# Altium PCB 项目.PcbDoc (part 1 of 2)
Units mil, origin at the board's own origin, x right, y up, seen from the top; angles counter-clockwise.
Board outline 3915 x 3895 mil, 2 copper layers (Top Layer, Bottom Layer); 135 components, 114 nets, 427 pads, 258 vias.
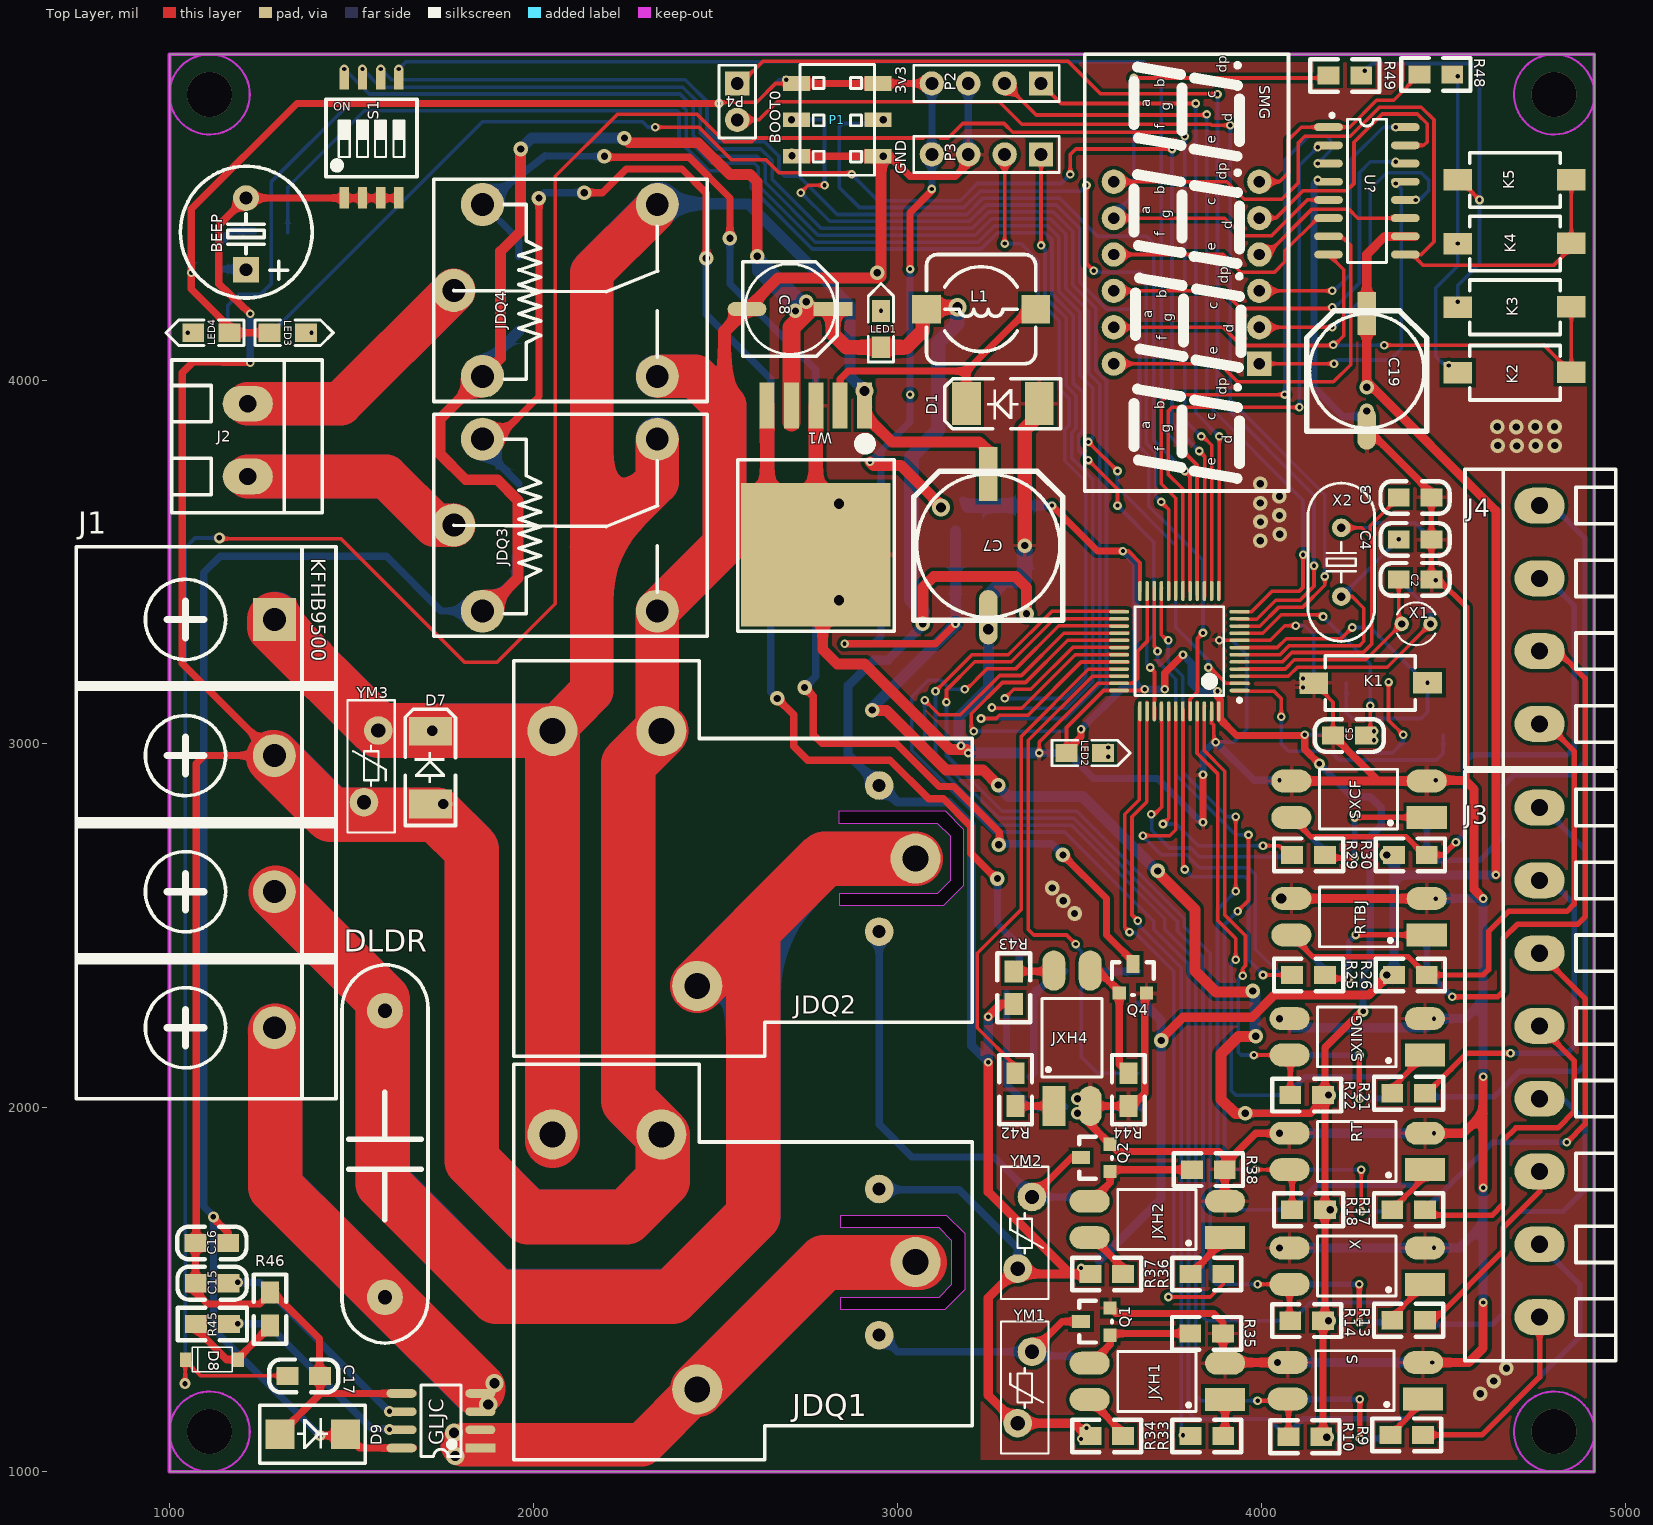
[diagram p0: Top Layer view]
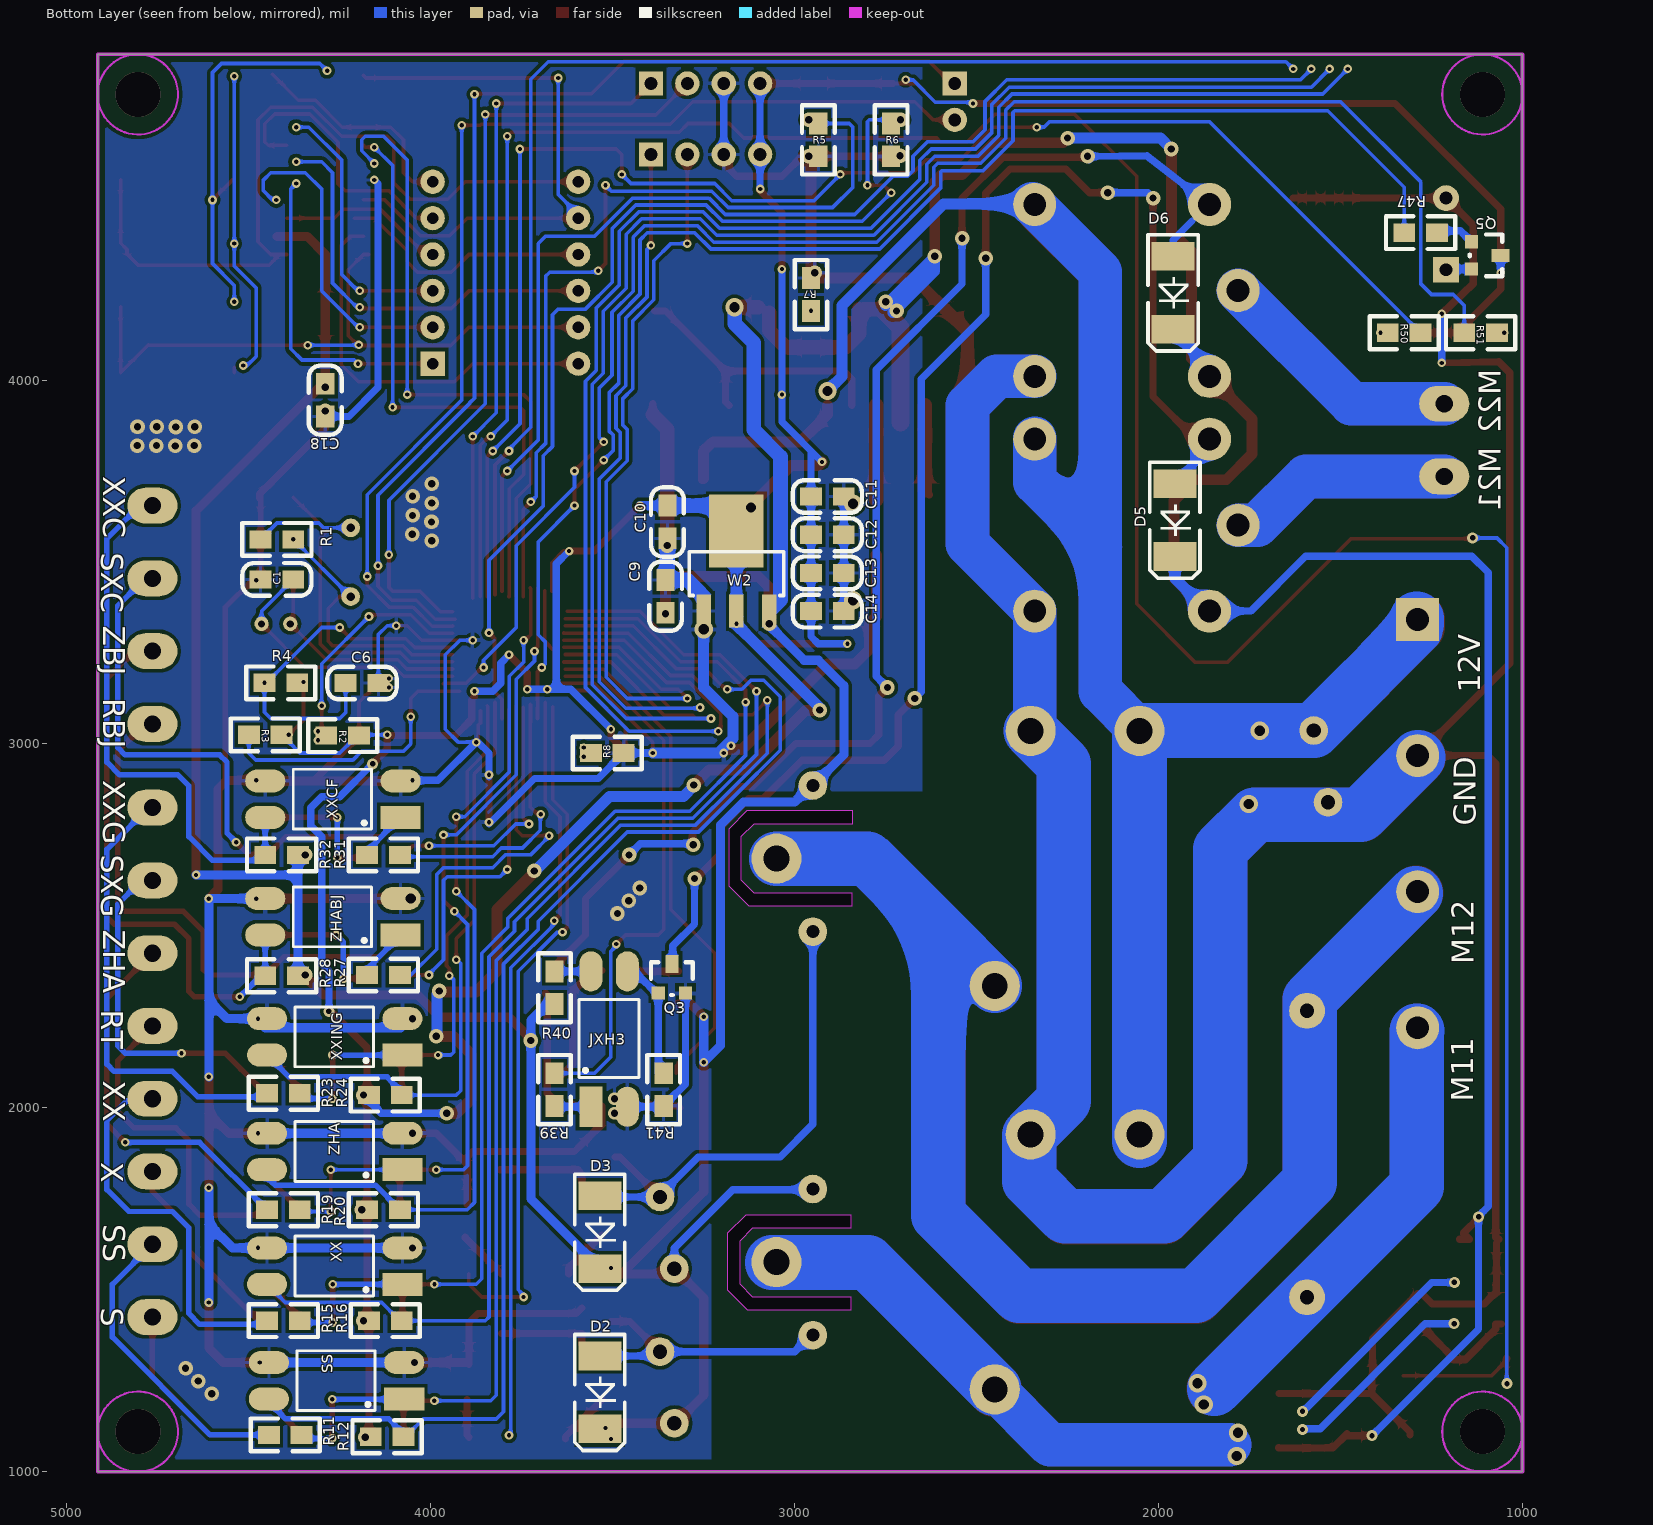
[diagram p1: Bottom Layer view, seen from below]

## Layer stack, top to bottom
Top Solder: solder mask 0.4, Solder Resist, Dk 3.5
Top Layer: signal copper 1.4
Dielectric1: dielectric 12.6, FR-4, Dk 4.8
Bottom Layer: signal copper 1.4
Bottom Solder: solder mask 0.4, Solder Resist, Dk 3.5

## Board outline
1000,1000 4915,1000 4915,4895 1000,4895
cut-out: 2841.57,2555.79 2841.57,2590 3110.79,2590 3146.57,2625.79 3146.57,2745.79 3111.57,2780.79 2840,2780.79 2840,2815.79 3131.57,2815.79 3181.57,2765.79 3181.57,2610.79 3126.57,2555.79
cut-out: 2845,1445 2845,1480 3115,1480 3150,1515 3150,1635 3115,1670 2845,1670 2845,1705 3135,1705 3185,1655 3185,1500 3130,1445

## Design rules (kind name [scope] priority, off if disabled: settings)
Clearance Clearance_1 [InNet('GND')] p1: gap=10 ignorepadtopadclearanceinfootprint=FALSE except(0: Arc-Hole Track-Hole SMDPad-Hole THPad-Hole Via-Hole Fill-Hole Poly-Hole Region-Hole Text-Hole; 9: Arc-Arc Arc-Track Arc-SMDPad Track-Track Track-SMDPad SMDPad-SMDPad)
Clearance [All] p2: gap=10 ignorepadtopadclearanceinfootprint=FALSE except(0: Arc-Hole Track-Hole SMDPad-Hole THPad-Hole Via-Hole Fill-Hole Poly-Hole Region-Hole Text-Hole; 9: Arc-Arc Arc-Track Arc-SMDPad Track-Track Track-SMDPad SMDPad-SMDPad)
FabricationTestpoint [(IsPad And (OnTopLayer Or OnBottomLayer))] p1: side=3 testpointundercomponent=TRUE minsize=40 maxsize=100 preferedsize=60 minholesize=0 maxholesize=40 preferedholesize=32 testpointgrid=1 allowsidetop=TRUE allowsidebottom=TRUE usegrid=TRUE gridtolerance=0.01
MinimumSolderMaskSliver [All] p1 off: minsoldermaskwidth=0.5
PolygonConnect [All] p1: connectstyle=Relief reliefconductorwidth=10 reliefentries=4 polygonreliefangle="90 Angle" airgapwidth=10
RoutingVias [All] p1: holewidth=12 width=24 viastyle="Through Hole" minholewidth=11 minwidth=22 maxholewidth=28 maxwidth=50
SilkToSilkClearance [All] p1: silktosilkclearance=0
SolderMaskExpansion [All] p1: expansion=4
Width [All] p1: maxlimit=200 minlimit=5 preferedwidth=20 minimp=50.000000 maximp=50.000000 favimp=50.000000
27 further rules are at their usual default settings.

## Classes and differential pairs
component class Sheet1: BEEP C1 C2 C3 C4 C5 C6 C7 C8 C9 C10 C11 C12 C13 C14 C15 C16 C17 C18 C19 D1 D2 D3 D5 D6 D7 D8 J1 J2 J3 J4 JDQ2 JDQ3 JDQ4 JXH1 JXH2 JXH3 JXH4 K1 K2 K3 K4 K5 L1 LED1 LED2 LED3 LED4 P1 P2 P3 P4 Q1 Q2 Q3 Q4 Q5 R1 R2 R3 R4 R5 R6 R7 R8 R9 R10 R11 R12 R13 R14 R15 R16 R17 R18 R19 R20 R21 R22 R23 R24 R25 R26 R27 R28 R29 R30 R31 R32 R33 R34 R35 R36 R37 R38 R39 R40 R41 R42 R43 R44 R45 R46 R47 R48 R49 R50 R51 RT RTBJ S S1 SMG SS SXCF SXING

## Components (designator, comment, footprint, x,y, rotation, side; value= is the part's Value field where it differs from the comment)
BEEP "3.3V有源" "BEEP 5x9x5.5" 1210,4303.15 r90 top
C1 "12PF" 0805C 4467.15,3452.54 r180 bottom
C2 "12PF" 0805C 4467.15,3451.74 r180 top
C3 "22PF" 0805C 4467.15,3676.74 r180 top
C4 "22PF" 0805C 4467.15,3561.74 r180 top
C5 "104" 0805C 4197.85,3023.26 r0 top
C6 "104" 0805C 4144.83,3167.07 r0 bottom
C7 "680uf" "CM F(10*10.2)" 3250,3545 r90 top
C8 "220uf" "CM D(6.3*7.7)" 2705,4195 r0 top
C9 "10uf" 0805C 3354.34,3450 r270 bottom
C10 "10uf" 0805C 3350.26,3565.71 r90 bottom
C11 "104" 0805C 2865.71,3679.6 r0 bottom
C12 "104" 0805C 2865.71,3574.6 r0 bottom
C13 "104" 0805C 2865.71,3469.6 r0 bottom
C14 "106" 0805C 2865.71,3364.6 r0 bottom
C15 "1nF" 0805C 1072.71,1518.4 r0 top
C16 "0.1uF" 0805C 1072,1629 r0 top
C17 "1000pF" 0805C 1413,1263 r180 top
C18 "104" 0805C 4290.4,3900.71 r90 bottom
C19 "470uf" "CM E(8*10.2)" 4290,4025 r90 top
D1 "1N5824" SMA/DO-214AC 3385,3935 r180 top
D2 "M7" SMA/DO-214AC 3535.63,1313.15 r270 bottom
D3 "M7" SMA/DO-214AC 3535.63,1753.15 r270 bottom
D5 "M7" SMA/DO-214AC 1955,3710 r270 bottom
D6 "M7" SMA/DO-214AC 1960,4335 r270 bottom
D7 "M7" SMA/DO-214AC 1717,2840 r90 top
D8 "1N4448W" SOD-123 1187,1308 r180 top
D9 "KE" SMB/DO-214AA 1303,1103 r0 top
DLDR "CBB22" "CBB 20*23*6" 1592,1873 r90 top
GLJC "ACS712" SOP8 1854,1065 r180 top
J1 "KFHB9500" KFHB9500-4P 1288,3342.02 r270 top
J2 "KF128-5.0" KF128-5.08-2P 1215,3935 r270 top
J3 "KF128-5.0" KF128-5.08-8P 4765,1425 r90 top
J4 "KF128-5.0" KF128-5.08-4P 4765,3055 r90 top
JDQ1 "SLA-05VDC-SL-C" SLA-xxVDC-SL-C 2576,1576 r90 top
JDQ2 "SLA-05VDC-SL-C" SLA-xxVDC-SL-C 2575.98,2685 r90 top
JDQ3 "SRD-05VDC-SL-C" SRD-C_B 1860,3837.44 r0 top
JDQ4 "SRD-05VDC-SL-C" SRD-C_B 1860,4482.44 r0 top
JXH1 "PC817" SMD_PC817 3900.63,1198.15 r180 top
JXH2 "PC817" SMD_PC817 3900.63,1643.15 r180 top
JXH3 "PC817" SMD_PC817 3559.99,2002.87 r90 bottom
JXH4 "PC817" SMD_PC817 3430,2004.99 r90 top
K1 "RST" SMD-3X6X2.5 4147.14,3167.86 r0 top
K2 "" SMD-3X6X2.5 4850,4020 r180 top
K3 "" SMD-3X6X2.5 4850,4200 r180 top
K4 "" SMD-3X6X2.5 4850,4375 r180 top
K5 "" SMD-3X6X2.5 4850,4550 r180 top
L1 "33uH" CDRH74 3230,4195 r180 top
LED1 "" LED-0805B 2955,4090 r90 top
LED2 "" LED-0805B 3465,2975 r0 top
LED3 "" LED-0805B 1275,4130 r0 top
LED4 "" LED-0805B 1165,4130 r180 top
P1 "Header 3X2H" HDR2.54-M-LS-2x3P 2835,4715 r270 top
P2 "Header 4" HDR2.54-LI-4P 3245,4815 r180 top
P3 "Header 4" HDR2.54-LI-4P 3245,4620 r180 top
P4 "ADC" HDR2.54-LI-2P 2560,4765 r270 top
Q1 "NPN" SOT-23 3550,1410 r90 top
Q2 "NPN" SOT-23 3550,1860 r90 top
Q3 "NPN" SOT-23 3340,2350 r180 bottom
Q4 "NPN" SOT-23 3645,2349.99 r0 top
Q5 "NPN" SOT-23 1105,4345 r270 bottom
R1 "1M" 0805R 4377.86,3562.14 r0 bottom
R2 "0R" 0805R 4287.14,3022.86 r180 bottom
R3 "0R" 0805R 4410,3025 r0 bottom
R4 "10K" 0805R 4367.14,3167.86 r0 bottom
R5 "10K" 0805R 2935,4705 r270 bottom
R6 "10K" 0805R 2735,4615 r90 bottom
R7 "1K" 0805R 2955,4280 r270 bottom
R8 "510" 0805R 3470,2975 r0 bottom
R9 "300" 0805R 4445,1101.16 r180 top
R10 "2K" 0805R 4075,1096 r0 top
R11 "300" 0805R 4445,1101.16 r180 bottom
R12 "2K" 0805R 4075,1096 r0 bottom
R13 "300" 0805R 4450,1416.16 r180 top
R14 "2K" 0805R 4080,1415 r0 top
R15 "300" 0805R 4450,1415 r180 bottom
R16 "2K" 0805R 4080,1415 r0 bottom
R17 "300" 0805R 4450,1720 r180 top
R18 "2K" 0805R 4085,1720 r0 top
R19 "300" 0805R 4450,1720 r180 bottom
R20 "2K" 0805R 4085,1720 r0 bottom
R21 "300" 0805R 4450,2040 r180 top
R22 "2K" 0805R 4080,2035 r0 top
R23 "300" 0805R 4450,2040 r180 bottom
R24 "2K" 0805R 4080,2035 r0 bottom
R25 "300" 0805R 4085,2365 r0 top
R26 "2K" 0805R 4455,2365 r180 top
R27 "300" 0805R 4085,2365 r0 bottom
R28 "2K" 0805R 4455,2363 r180 bottom
R29 "300" 0805R 4085,2695 r0 top
R30 "2K" 0805R 4455,2695 r180 top
R31 "300" 0805R 4085,2695 r0 bottom
R32 "2K" 0805R 4455,2695 r180 bottom
R33 "300" 0805R 3805.63,1098.15 r0 top
R34 "1K" 0805R 3620.63,1098.15 r180 top
R35 "4.7K" 0805R 3805,1380 r0 top
R36 "300" 0805R 3895.63,1543.15 r180 top
R37 "1K" 0805R 3620.63,1543.15 r180 top
R38 "4.7K" 0805R 3810,1830 r0 top
R39 "300" 0805R 3660,2095 r270 bottom
R40 "1K" 0805R 3660,2375 r270 bottom
R41 "4.7K" 0805R 3360,2095 r270 bottom
R42 "300" 0805R 3325,2094.99 r270 top
R43 "1K" 0805R 3320,2374.99 r270 top
R44 "4.7K" 0805R 3635,2094.99 r270 top
R45 "2K" 0805R 1073,1406 r0 top
R46 "10K" 0805R 1276,1402 r90 top
R47 "1K" 0805R 1325,4405 r180 bottom
R48 "2K" 0805R 4435,4840 r0 top
R49 "2K" 0805R 4185,4837 r0 top
R50 "330" 0805R 1280,4130 r0 bottom
R51 "330" 0805R 1160,4130 r180 bottom
RT "PC817" SMD_PC817 4450,1830 r180 top
RTBJ "PC817" SMD_PC817 4455,2475 r180 top
S "PC817" SMD_PC817 4445,1200 r180 top
S1 "SW4-DIP8" SMD-4P 1555,4665 r0 top
SMG "0.36IN-4-K" 0.36IN-4P 3995,4045 r90 top
SS "PC817" SMD_PC817 4072.88,1200 r0 bottom
SXCF "PC817" SMD_PC817 4455,2798 r180 top
SXING "PC817" SMD_PC817 4450,2145 r180 top
U? "TM1650" SOP16 4290,4520 r0 top
W1 "LM2596-5.0" TO263-5A 2776.14,3930 r180 top
W2 "AMS1117" SOT223 3160,3365 r180 bottom
X "PC817" SMD_PC817 4450,1515 r180 top
X1 "32.768K" OSC-3x8-LI 4386.26,3330 r0 top
X2 "8M" "OSC HC-49S" 4220,3499.49 r90 top
XX "PC817" SMD_PC817 4077.88,1515 r0 bottom
XXCF "PC817" SMD_PC817 4082.88,2798 r0 bottom
XXING "PC817" SMD_PC817 4077.88,2145 r0 bottom
YM1 "" "VDR 9D-4.5" 3350.32,1330 r270 top
YM2 "" "VDR 9D-4.5" 3350.32,1755 r270 top
YM3 "" "VDR 9D-4.5" 1554,2840 r90 top
ZHA "PC817" SMD_PC817 4077.88,1830 r0 bottom
ZHABJ "PC817" SMD_PC817 4082.88,2475 r0 bottom
? "stm32f103" STM32F103_48_2 3775,3255 r180 top

## Footprints (in the part's own frame and the unit in brackets; to place one, negate y for a bottom-side part, rotate by r counter-clockwise, add the part's x,y. Pads: shape width x height; smd on the part's side, far side on the other; paste and mask are expansions set on the pad)
0.36IN-4P [mm]
  rect 1.7x1.7 hole 0.8: 1(0,0)
  round 1.7 hole 0.8: 2(2.54,0) 3(5.08,0) 4(7.62,0) 5(10.16,0) 6(12.7,0) 7(12.7,10.16) 8(10.16,10.16) 9(7.62,10.16) 10(5.08,10.16) 11(2.54,10.16) 12(0,10.16)
  silkscreen extent -8.89,-2.03 21.59,12.19, body extent -8.65,-1.93 21.35,12.07, height 7.2
0805C [mil]
  rect 60x50 smd: 1(-0.71,-0.4) 2(89.29,-0.4)
  silkscreen extent -51,-45 139,45, body extent 6,-25 84,25, height 31
0805R [mil]
  rect 60x50 smd: 1(0,0) 2(90,0)
  silkscreen extent -50,-45 140,45, body extent 1,-25 80,25, height 15
"BEEP 5x9x5.5" [mm]
  rect 1.8x1.8 hole 0.9: 1(0,0)
  round 1.8 hole 0.9: 2(5,0)
  silkscreen extent -1.97,-4.62 7.22,4.58, body extent -1.96,-4.44 7.04,4.55, height 5.45
"CBB 20*23*6" [mm] "脚距20mm高23mm厚6mm"
  round 2.5 hole 1: 1(-10,0) 2(10,0)
  silkscreen extent -13.21,-3 13.22,3
CDRH74 [mm] "7.3*7.3*4.5mm（长宽高）"
  rect 2x2 smd: 1(-3.81,0) 2(3.81,0)
  silkscreen extent -3.81,-3.81 3.81,3.81, body extent -3.65,-3.62 3.65,3.68, height 4.5
"CM D(6.3*7.7)" [mm] "贴片电解电容，直径6.3mm，高7.7mm"
  rect 2.7x1 smd: 1(3,0)
  oval 2.7x1 smd: 2(-3,0)
  silkscreen extent -3.3,-3.3 3.3,3.3, body extent -3.5,-3.3 3.5,3.3, height 7.7
"CM E(8*10.2)" [mm] "贴片电解电容，直径8mm，高10.2mm"
  rect 3x1.3 smd: 1(4,0)
  oval 3x1.3 smd: 2(-4,0)
  silkscreen extent -4.2,-4.2 4.2,4.2, body extent -4.5,-4.15 4.5,4.15, height 10.2
"CM F(10*10.2)" [mm] "贴片电解电容，直径10mm，高10.2mm"
  rect 3.8x1.3 smd: 1(5,0)
  oval 3.8x1.3 smd: 2(-5,0)
  silkscreen extent -5.2,-5.2 5.2,5.2, body extent -5.8,-5.15 5.8,5.15, height 10.2
HDR2.54-LI-2P [mm] "排针，2脚"
  rect 1.7x1.7 hole 0.9: 1(-1.27,0)
  round 1.7 hole 0.9: 2(1.27,0)
  silkscreen extent -2.54,-1.27 2.54,1.27, body extent -2.54,-1.27 2.54,1.27, height 8.5
HDR2.54-LI-4P [mm] "排针，4脚"
  rect 1.7x1.7 hole 0.9: 1(-3.81,0)
  round 1.7 hole 0.9: 2(-1.27,0) 3(1.27,0) 4(3.81,0)
  silkscreen extent -5.08,-1.27 5.08,1.27, body extent -5.08,-1.27 5.08,1.27, height 8.5
HDR2.54-M-LS-2x3P [mm] "脚距：2.54mm，贴片双排母"
  rect 1.02x1.9 smd: 1(-2.54,2.85) 2(-2.54,-2.85) 3(0,2.85) 4(0,-2.85) 5(2.54,2.85) 6(2.54,-2.85)
  silkscreen extent -3.87,-2.6 3.87,2.6, body extent -3.84,-3.2 3.84,3.2, height 5.15
KF128-5.08-2P [mm] "螺钉式接线端子，脚距5.08mm"
  oval 2.5x3.5 hole 1.2: 1(0,0) 2(5.08,0)
  silkscreen extent -3.05,-5.31 7.62,5.21, body extent -3.05,-5.38 7.61,5.12, height 14.15
KF128-5.08-4P [mm] "螺钉式接线端子，脚距5.08mm"
  oval 2.5x3.5 hole 1.2: 1(0,0) 2(5.08,0) 3(10.16,0) 4(15.24,0)
  silkscreen extent -3.05,-5.31 17.78,5.21, body extent -3.05,-5.38 17.77,5.12, height 14.15
KF128-5.08-8P [mm] "螺钉式接线端子，脚距5.08mm"
  oval 2.5x3.5 hole 1.2: 1(0,0) 2(5.08,0) 3(10.16,0) 4(15.24,0) 5(20.32,0) 6(25.4,0) 7(30.48,0) 8(35.56,0)
  silkscreen extent -3.05,-5.31 38.1,5.21, body extent -3.05,-5.38 38.09,5.12, height 14.15
KFHB9500-4P [mm]
  rect 3x3 hole 1.6: 1(0,0)
  round 3 hole 1.6: 2(9.5,0) 3(19,0) 4(28.5,0)
  silkscreen extent -5.08,-13.82 33.45,4.3, body extent -5.21,-13.7 33.29,4.3, height 14.05
LED-0805B [mil]
  rect 60x50 smd: 1(0,0) 2(100,0)
  silkscreen extent -40,-35 175,35, body extent 10,-25 89,25, height 32
"OSC HC-49S" [mm]
  round 1.3 hole 0.6: 1(-2.4,0) 2(2.4,0)
  silkscreen extent -5.52,-2.32 5.52,2.33, body extent -5.53,-2.29 5.53,2.36, height 4.13
OSC-3x8-LI [mm]
  round 1 hole 0.5: 1(0,0) 2(2,0)
  silkscreen extent -0.34,-1.5 2.34,1.5, body extent -0.48,-1.48 2.52,1.52, height 9.1
SLA-xxVDC-SL-C [mm]
  round 2 hole 0.9: 1(-5.1,-9.5) 2(5.1,-9.5)
  round 3.5 hole 1.8: 3(-8.89,3.2) 4(8.91,13.3) 5(8.91,5.7) 6(0,-12.04)
  silkscreen extent -13.8,-16 13.8,16, body extent -13.84,-15.87 13.76,16.13, height 20.65
SMA/DO-214AC [mm] "塑封二极管"
  rect 2x3 smd: A(-0.127,0) K(4.953,0)
  silkscreen extent -1.63,-1.75 6.48,1.75, body extent 0.11,-1.35 4.71,1.35, height 2.4
SMB/DO-214AA [mil] "塑封二极管"
  rect 80x80 smd: A(0,0) K(180,0)
  silkscreen extent -55,-80 235,80, body extent -20,-79 200,75, height 98
SMD-3X6X2.5 [mm]
  rect 2x1.5 smd: 1(-0.059,-0.02) 3(7.874,0)
  silkscreen extent 0.73,-1.9 7.03,1.9, body extent -0.19,-1.78 7.81,1.72, height 2.59
SMD-4P [mm] "长：6.68mm，宽：5.4mm，高：2.3mm"
  rect 0.65x1.5 smd: 1(-1.905,-4.15) 2(-0.635,-4.15) 3(0.635,-4.15) 4(1.905,-4.15) 5(1.905,4.15) 6(0.635,4.15) 7(-0.635,4.15) 8(-1.905,4.15)
  silkscreen extent -3.17,-2.7 3.17,2.7, body extent -3.38,-4.48 3.3,4.22, height 2.35
SMD_PC817 [mm]
  rect 2.8x1.6 smd mask+0: 1(0,0)
  oval 2.8x1.6 smd mask+0: 2(0,-2.54) 3(9.452,-2.54) 4(9.452,0)
  silkscreen extent 2.03,-3.36 7.49,0.82, body extent -0.3,-3.56 9.7,1.02, height 3.85
SOD-123 [mm] "塑封二极管"
  rect 0.8x1 smd: A(-0.051,0) K(3.607,0)
  silkscreen extent 0.38,-0.85 3.18,0.85, body extent -0.12,-0.89 3.73,0.81, height 1.43
SOP8 [mm]
  rect 2.1x0.6 smd: 1(0,0)
  oval 2.1x0.6 smd: 2(0,-1.27) 3(0,-2.54) 4(0,-3.81) 5(5.5,-3.81) 6(5.5,-2.54) 7(5.5,-1.27) 8(5.5,0)
  silkscreen extent 1.35,-4.41 4.15,0.6, body extent -0.21,-4.44 5.8,0.56, height 1.9
SOP16 [mm] "（蒜米工坊）"
  oval 2x0.55 smd: 1(-2.667,4.445) 2(-2.667,3.175) 3(-2.667,1.905) 4(-2.667,0.635) 5(-2.667,-0.635) 6(-2.667,-1.905) 7(-2.667,-3.175) 8(-2.667,-4.445) 9(2.692,-4.445) 10(2.692,-3.175) 11(2.692,-1.905) 12(2.692,-0.635) 13(2.692,0.635) 14(2.692,1.905) 15(2.692,3.175) 16(2.692,4.445)
  silkscreen extent -2.55,-5 1.37,5.39, body extent -2.92,-4.99 2.98,4.99, height 1.45
SOT223 [mil]
  rect 40x90 smd: 1(-90,0) 2(0,0) 3(90,0)
  rect 150x200 smd: 2(0,220)
  silkscreen extent -130,43 130,163, body extent -130,-30 126,246, height 65
SOT-23 [mil]
  rect 36x36 smd: B(-35,-35) E(40,-35)
  rect 36x50 smd: C(3,45)
  silkscreen extent -55,-40 60,50, body extent -54,-48 60,62, height 47
SRD-C_B [mm] "单刀双投"
  round 3 hole 1.6: 1(0,0) 2(0,-12) 3(-2,-6) 4(12.2,0) 5(12.2,-12)
  silkscreen extent -3.4,-13.75 15.7,1.75, body extent -3.33,-13.85 15.77,1.65, height 15.6
STM32F103_48_2 [mm] "TSQFP, 48-Leads, Body 7.00x7.00mm, Pitch 0.50mm, IPC Medium Density"
  oval 1.4x0.25 smd: 1(-4.2,2.75) 2(-4.2,2.25) 3(-4.2,1.75) 4(-4.2,1.25) 5(-4.2,0.75) 6(-4.2,0.25) 7(-4.2,-0.25) 8(-4.2,-0.75) 9(-4.2,-1.25) 10(-4.2,-1.75) 11(-4.2,-2.25) 12(-4.2,-2.75) 25(4.2,-2.75) 26(4.2,-2.25) 27(4.2,-1.75) 28(4.2,-1.25) 29(4.2,-0.75) 30(4.2,-0.25) 31(4.2,0.25) 32(4.2,0.75) 33(4.2,1.25) 34(4.2,1.75) 35(4.2,2.25) 36(4.2,2.75)
  oval 0.25x1.4 smd: 13(-2.75,-4.2) 14(-2.25,-4.2) 15(-1.75,-4.2) 16(-1.25,-4.2) 17(-0.75,-4.2) 18(-0.25,-4.2) 19(0.25,-4.2) 20(0.75,-4.2) 21(1.25,-4.2) 22(1.75,-4.2) 23(2.25,-4.2) 24(2.75,-4.2) 37(2.75,4.2) 38(2.25,4.2) 39(1.75,4.2) 40(1.25,4.2) 41(0.75,4.2) 42(0.25,4.2) 43(-0.25,4.2) 44(-0.75,4.2) 45(-1.25,4.2) 46(-1.75,4.2) 47(-2.25,4.2) 48(-2.75,4.2)
  silkscreen extent -4.33,-3.1 3.1,3.55, body extent -3.5,-3.5 3.5,3.5, height 1.6
TO263-5A [mm] "263，5脚晶体管"
  rect 1.05x3.2 smd: 1(-3.4,0) 2(-1.7,0) 3(0,0) 4(1.7,0) 5(3.4,0)
  rect 10.45x10 smd: 3(0,10.414)
  silkscreen extent -5.46,2.29 5.46,15.75, body extent -5.05,0.45 4.95,13.78, height 4.5
"VDR 9D-4.5" [mm] "压敏电阻9mm*4.5mm(直径*厚度）"
  round 2 hole 1: 1(0,0.5) 2(5,-0.5)
  silkscreen extent -2.11,-1.65 7.11,1.65, body extent -2,-1.5 7,1.5, height 10

## Part data
BEEP: library part BEEP
C1 C2 C3 C4 C5 C6 C9 C10 C11 C12 C13 C14 C15 C16 C17 C18 DLDR: library part CAP, "无极性电容"
C7 C8 C19: library part SMD_ECAP, "贴片电解电容"
D1 D2 D3 D5 D6 D7: library part "DIODE SCHOTTKY", "肖特基二极管"
D8 D9: library part DIODE, "普通二极管"
J1: library part KFHB9500-4P
J2: library part KF128-2P
J3: library part KF128-8P
J4: library part KF128-4P
JDQ1 JDQ2 JDQ3 JDQ4: "5V一组转换"
JXH1 JXH2 JXH3 JXH4 RT RTBJ S SS SXCF SXING X XX XXCF XXING ZHA ZHABJ: "线性光耦"
K1 K2 K3 K4 K5: library part KEY
L1: library part INDUCTOR, "INDUCTOR"
LED1 LED2 LED3 LED4: library part LED
P1: "Header, 3-Pin, Dual row, Right Angle", LatestRevisionDate=17-Jul-2002, LatestRevisionNote="Re-released for DXP Platform.", Publisher="Altium Limited"
P2 P3: "Header, 4-Pin", LatestRevisionDate=17-Jul-2002, LatestRevisionNote="Re-released for DXP Platform.", Publisher="Altium Limited"
P4: library part "Header 2", "Header, 2-Pin", LatestRevisionDate=17-Jul-2002, LatestRevisionNote="Re-released for DXP Platform.", Publisher="Altium Limited"
Q1 Q2 Q3 Q4 Q5: "NPN三极管"
R1 R2 R3 R4 R5 R6 R7 R8 R9 R10 R11 R12 R13 R14 R15 R16 R17 R18 R19 R20 R21 R22 R23 R24 R25 R26 R27 R28 R29 R30 R31 R32 R33 R34 R35 R36 R37 R38 R39 R40 R41 R42 R43 R44 R45 R46 R47 R48 R49 R50 R51 YM1 YM2 YM3: library part RES
SMG: "4位0.36寸共阴数码管"
W1: "DC降压芯片"
W2: "三端稳压芯片"
X1 X2: library part XTAL-2P, "2脚无源脚晶振"

## Via types
v1: diameter 23.62, hole 11.81, Top Layer to Bottom Layer, tented both sides, 129 vias
v2: diameter 40, hole 20, Top Layer to Bottom Layer, tented both sides, 63 vias
v3: diameter 24, hole 12, Top Layer to Bottom Layer, tented both sides, 36 vias
v4: diameter 50, hole 28, Top Layer to Bottom Layer, tented both sides, 9 vias
v5: diameter 30, hole 15, Top Layer to Bottom Layer, 8 vias
v6: diameter 50, hole 28, Top Layer to Bottom Layer, 4 vias
v7: diameter 124.02, hole 124.02, Top Layer to Bottom Layer, tented both sides, 4 vias
v8: diameter 30, hole 15, Top Layer to Bottom Layer, tented both sides, 2 vias
v9: diameter 35, hole 20, Top Layer to Bottom Layer, tented both sides, 2 vias
v10: diameter 35, hole 12, Top Layer to Bottom Layer, tented both sides, 1 vias

## Nets (pads, with @x,y where several pads share a name; then routed paths per layer and width w, separated by ;. In a path a pad name is that pad's centre, name@x,y a point inside that pad or via, vN(x,y) a via of type N, cw(c..) or ccw(c..) an arc to the next point about the centre after c; other vN are vias at no path point)
3V3: ?.24 ?.36 ?.48 C10.2 C11.2 C12.2 C13.2 C14.2 LED2.1 LED3.1 LED4.1 P1.1 P1.2 P2.4 P3.4 Q5.C R2.2 R3.1 R4.1 R10.2 R12.2 R14.2 R16.2 R18.2 R20.2 R22.2 R24.2 W2.2 | length 13150.5
  Top Layer w10: v1(2510,4760) 2513.46,4763.46 2613.46,4763.46 2665,4815 P1.2@2722.8,4815 P1.2@2730,4815 ; LED2.1@3465,2980 3465,3045 3566.73,3146.73 ?.36@3609.65,3146.73 3683.27,3146.73 v1@3685,3145 ; v1@3615,3530 v1@3620,3535 ; v1(3620,3530) 3635,3530 3666.73,3498.27 ?.24@3666.73,3420.35 ; ?.48@3882.5,3072.5 ?.48@3882.5,3089.65 ; v1(4350,3170) 4350,3065 v1(4390,3025)
  Top Layer w20: LED3.1@1275,4130 LED4.1@1165,4130 1165,4145 1060,4250 v1(1060,4295) 1060,4470 1350,4760 v1(2510,4760) ; P1.2@2730,4815 P1.1@2947.2,4815 P2.4@3095,4815 ; v1(2855,3275) 3105,3275 v1(3160,3330) ; v1(3035,4305) 3035,4460 3095,4520 v1(3095,4525) ; v1(3425,3655) 3550,3530 v1@3615,3530 ; LED2.1@3465,2980 3505,3020 v1(3505,3040) ; v1(3735,3150) 3735,3195 v1(3785,3245) ; v1(3880,3145) 3880,3129.7 3887.5,3122.19 3887.5,3067.5 3931.81,3023.19 4118.19,3023.19 v1(4120,3025) 4120,2985 v8(4160,2945) ; v2@3952,1984 3953,1985 v2(3956,1985) 4136,1985 4167,2016 4167,2032 R22.2@4170,2035 ; R10.2@4165,1096 4170,1101 R14.2@4170,1415 4175,1420 R18.2@4175,1720 4175,2165 4275,2265 v8(4280,2265)
  Top Layer w30: v1(2925,3775) 2935,3765 3010,3765 3120,3655 v4(3120,3650) v4@3115,3645 ; v2@2931,3092 2970,3092 3134,2928 3236,2928 v2(3277,2887) ; v2@3715,2648 3818,2545 3818,2376 3876,2318 3976,2318 3977,2317 v2(3977,2321) ; v2@3952,1984 3929,1984 3890,2023 3890,2148 3938,2196 3983,2196 v2@3985,2198
  Bottom Layer w10: v1(2510,4760) 2513.46,4763.46 2613.46,4763.46 2675,4825 v1(2695,4825) ; v1(4120,3025) 4200,3025 4250,2975 4360,2975 4390,3005 v1(4390,3025)
  Bottom Layer w20: v1@1060,4300 Q5.C@1060,4342 ; v1(2855,3275) 2935,3275 2955,3295 C14.2@2955,3365 C13.2@2955,3470 C12.2@2955,3575 C11.2@2955,3680 2955,3800 ; v1(2925,3775) 3035,3885 v1(3035,3960) v1(3035,4305) ; v2@2929,3086 2931,3088 v2(2931,3093) ; v1@3095,4530 P3.4@3095,4620 P2.4@3095,4815 ; W2.2@3155,3350 W2.2@3160,3355 ; v1(3160,3330) 3160,3340 3163,3343 W2.2@3163,3355 ; W2.2@3180,3670 W2.2@3195,3655 ; v1(3505,3040) 3615,3150 3655,3150 ; v1(3620,3530) 3655,3495 3655,3150 ; v2@3714.01,2651 v2(3716,2651) ; v1(3735,3150) v1(3680,3150) 3655,3150 ; v1(3785,3245) 3808,3222 3808,3167 3830,3145 v1(3880,3145) ; v2@3963,1985 4136,1985 4170,2019 R24.2@4170,2035 ; v2@3983,2315 v2@3985,2315 ; v8(4160,2945) 4250,2855 4300,2855 4330,2825 4330,2775 4300,2745 4300,2395 4280,2375 v8@4280,2275
  Bottom Layer w25: W2.2@3160,3328 v1(3160,3330) ; C10.2@3349.86,3655 v1(3425,3655)
  Bottom Layer w30: v2@2929,3097 W2.2@3160,3328 ; W2.2@3160,3365 W2.2@3160,3585 ; v2@3277,2885 3306,2856 3509.01,2856 v2@3714.01,2651 ; v2@3983,2313 3983,2195 v2@3984,2194
  Bottom Layer w40: W2.2@3195,3655 C10.2@3349.86,3655
  other v2: 4180,1095 4185,1415 4190,1720 4185,2035 3985,2197
12V: C7.1 D7.K J1.1 JDQ1.4 JDQ2.4 JDQ3.4 JDQ4.4 W1.1 YM3.2 | length 9303.3
  Top Layer w20: YM3.2@1559.45,3050.55 1562.45,3050.55 1576.15,3036.85 YM3.2@1573.68,3036.85 ; D7.K@1712.85,3036.85 D7.K@1720,3044 ; D7.K@1717,3035 D7.K@1717.79,3035.79 ; JDQ2.4@2052.21,3035.79 2052.36,3035.64 2052.84,3035.16 JDQ2.4@2053,3035 ; C7.1@3250,3730 C7.1@3255,3725
  Top Layer w30: W1.1@2910,3930 2910,3905 2985,3830 3225,3830 3250,3805 C7.1@3250,3741.85 C7.1@3250,3730
  Top Layer w120: JDQ2.4@2052.84,3035.16 2052.92,3035.24 2052.91,3035.79 2052.91,3036.3 2160,3146.07 2160,3540 ; JDQ4.4@2330,4465 2160,4295 2160,3540 ; JDQ3.4@2340,3835 2340,3720 2160,3540
  Top Layer w150: J1.1@1288,3342.02 1288,3322 YM3.2@1559.45,3050.55 ; YM3.2@1576.15,3036.85 D7.K@1712.85,3036.85 ; D7.K@1717.79,3035.79 JDQ2.4@2052.21,3035.79 ; JDQ1.4@2052.36,1910 JDQ2.4@2052.36,3035.64
  Bottom Layer w30: JDQ4.4@2335,4482.44 JDQ4.4@2335,4485 ; JDQ4.4@2347,4484 2591,4484 2870,4205 2870,4010 v4(2910,3970)
  Bottom Layer w120: JDQ2.4@2052.36,3035.79 2052.36,3037.36 2160,3145 2160,3540 ; JDQ3.4@2340,3840 2340,3720 2160,3540 ; JDQ4.4@2347,4484 2160,4297 2160,3540
  Bottom Layer w150: J1.1@1290,3344 1290,3329.5 1293,3326.5 1293,3318 1573.92,3037.08 1574,3037 JDQ2.4@2048,3037 ; JDQ2.4@2050.79,3035.79 JDQ2.4@2052.36,3035.79 JDQ1.4@2052.36,1910
  other v4: 1722,3036
A/KI1: K2.1 K3.1 SMG.11 U?.8 | length 1785
  Top Layer w10: SMG.11@3595,4145 3895,4145 3945,4095 4196.73,4095 v1(4198.27,4096.54) 4201.54,4096.54 4226.81,4121.81 4226.81,4303.19 U?.8@4185,4345 U?.8@4170,4345 ; v1(4338,4096) 4776.03,4096 4776.56,4096.54 K2.1@4852.31,4020.79 K3.1@4852.31,4200.79
  Bottom Layer w10: v1(4198.27,4096.54) 4198.8,4096 v1(4338,4096)
B/KI2: K4.1 K5.1 SMG.7 U?.9 | length 2169.4
  Top Layer w10: SMG.7@3595,4545 3905,4545 3953.46,4496.54 4056.54,4496.54 4101.54,4541.54 4101.54,4651.54 4119.83,4669.83 4244.83,4669.83 4325,4750 4440,4750 4475,4715 4475,4380 4440,4345 U?.9@4415,4345 ; U?.9@4396,4345 U?.9@4415,4345 ; K5.1@4852.31,4550.79 K4.1@4852.31,4375.79 4835,4358.47 4835,4346.56 4803.44,4315 4445,4315 U?.9@4415,4345
BOOT0: ?.44 P1.4 R6.2 | length 2728.9
  Top Layer w10: v1@2740,4515 2740,4520 2755,4535 v1(2800,4535) ; ?.44@3804.45,3070 3804.45,3122.87 3825,3143.42 3825,3290 v1(3840,3305)
  Bottom Layer w10: v2(2709.02,4715) 2795,4715 2800,4710 v1(2800,4535) ; v1(2735,4515) 2814,4436 3198.52,4436 3243.52,4481 3436.48,4481 3501,4416.48 3501,4269 3575,4195 3650,4195 3665.46,4179.54 3665.46,3817.67 3691,3792.13 3691,3654 3840,3505 v1(3840,3305)
C/KI3: SMG.4 U?.11 | length 463
  Top Layer w10: SMG.4@3995,4345 4015,4345 4139.83,4469.83 4240.17,4469.83 4265,4445 U?.11@4396,4445
D/KI4: SMG.2 U?.12 | length 888.7
  Top Layer w10: SMG.2@3995,4145 v1(4195,4145)
  Bottom Layer w10: v1(4195,4145) 4200,4145 4300,4245 4300,4525 4345,4570 4440,4570 4460,4550 4460,4520 4435,4495 v1(4425,4495)
DIG1: R48.1 SMG.6 U?.1 | length 614.9
  Top Layer w10: SMG.6@3995,4545 4050,4545 4075,4570 4075,4660 4110,4695 U?.1@4185,4695 4243.13,4695 4317.13,4769 4364,4769 R48.1@4435,4840
DIG2: R49.1 SMG.8 U?.5 | length 1596.5
  Top Layer w10: SMG.8@3595,4445 3900,4445 3948.46,4396.54 4028.41,4396.54 4126.87,4495 U?.5@4185,4495 ; v1(3650,4830) 4178,4830 R49.1@4185,4837
  Bottom Layer w10: SMG.8@3595,4445 3595,4455 3650,4510 v1(3650,4830)
DIG3: SMG.9 U?.6 | length 714.1
  Top Layer w10: SMG.9@3595,4345 3895,4345 3943.46,4296.54 4036.54,4296.54 4065,4325 4065,4355 4155,4445 U?.6@4185,4445 U?.6@4210,4445
DIG4: SMG.12 U?.7 | length 1090
  Top Layer w10: SMG.12@3595,4045 3885,4045 3935,3995 4198.46,3995 4245.81,4042.35 4245.81,4370 4220.81,4395 U?.7@4185,4395
DP/KP: SMG.3 U?.16 | length 745.9
  Top Layer w10: SMG.3@3995,4245 v1(4195,4245)
  Bottom Layer w10: v1(4195,4245) 4200,4245 4245,4290 4245,4605 4335,4695 v1(4370,4695)
E/KI5: SMG.1 U?.13 | length 867.2
  Top Layer w10: SMG.1@3995,4045 v1(4200,4045)
  Bottom Layer w10: v1(4200,4045) 4210,4055 4354,4055 4385,4086 4385,4525 v1(4370,4540)
F/KI6: SMG.10 U?.14 | length 1140
  Top Layer w10: SMG.10@3595,4245 3895,4245 3943.46,4196.54 4191.54,4196.54 v1(4195,4200)
  Bottom Layer w10: v1(4195,4200) 4203.46,4200 4270,4266.54 4270,4570 4300,4600 v1(4370,4600)
G/KI7: SMG.5 U?.15 | length 770.6
  Top Layer w10: SMG.5@3995,4445 3995.57,4445.56 4040.57,4445.56 4115,4520 4235,4520 4255,4540 4255,4653.13 4332.87,4731 4429,4731 4456,4704 4456,4654.07 4446.93,4645 U?.15@4396,4645
GND: ?.8 ?.23 ?.35 ?.47 BEEP.2 C1.1 C2.1 C3.1 C4.1 C5.1 C6.1 C7.2 C8.2 C9.1 C10.1 C11.1 C12.1 C13.1 C14.1 C15.1 C16.1 C17.1 C18.1 C19.2 D1.A D7.A D9.A GLJC.5 J1.2 JDQ1.5 JDQ2.5 JDQ3.5 JDQ4.5 JXH1.2 JXH2.2 JXH3.2 JXH4.2 K1.1 P1.5 P1.6 P2.3 P3.3 Q1.E Q2.E Q3.E Q4.E R5.2 R6.1 R7.1 R8.1 R35.2 R38.2 R41.2 R44.2 R46.2 RT.2 RT.3 RTBJ.2 RTBJ.3 S1.1 S1.2 S1.3 S1.4 S.2 S.3 SS.2 SS.3 SXCF.2 SXCF.3 SXING.2 SXING.3 U?.4 W1.3 W1.5 W2.1 X.2 X.3 XX.2 XX.3 XXCF.2 XXCF.3 XXING.2 XXING.3 YM3.1 ZHA.2 ZHA.3 ZHABJ.2 ZHABJ.3 | length 30606
  Top Layer w10: S1.4@1630,4500 S1.4@1635,4495 ; P1.5@2960,4615 v2(2960.98,4615) ; v1(3390,2975) 3390,3005 3551.5,3166.5 ?.35@3620,3166.5 ; ?.35@3609.65,3166.42 3646.42,3166.42 ; 3646.5,3166.5 3660,3180 3660,3255 3686.42,3281.42 ?.23@3686.42,3420.35 ; ?.47@3862.82,3091.57 3863.5,3090.88 3863.5,3057.56 3870,3051.06 3870,3010 3865,3005 v1(3875,3005) ; v1@3885.47,3284.53 ?.8@3940.35,3284.53 ; JXH1.2@3900.63,1298.15 JXH1.2@3902.48,1300 ; ?.8@3940.35,3285.21 4025.21,3285.21 4065,3325 v1(4095,3325) ; v2(4045,1300) S.3@4072.88,1300 ; K1.1@4144.83,3167.07 4197.14,3114.76 C5.1@4197.14,3022.86
  Top Layer w15: C3.1@4467.86,3677.14 C4.1@4467.86,3562.14 C2.1@4467.86,3452.14 C2.1@4487.86,3452.14 ; v3(4480,3450) C2.1@4487.86,3452.14 ; 4560,2900 4565,2905 4565,3375 C2.1@4487.86,3452.14
  Top Layer w20: C16.1@1065,1639 1068.68,1639 1073.28,1643.6 1073.28,2946.28 1095,2968 J1.2@1288,2968 ; C16.1@1071.29,1628.6 1071.29,1514.71 C15.1@1072,1514 ; C15.1@1072,1518 C15.1@1072,1514 ; C15.1@1073,1513 C15.1@1072,1514 ; v1(1222,4047) 1065,4050 1035,4020 1035,3221 1283,2973 J1.2@1286,2973 ; v1(1222,4182) 1135,4265 1135,4425 BEEP.2@1210,4500 S1.4@1630,4500 ; R46.2@1276,1492 R46.2@1276,1489 ; D9.A@1309,1101 1309,1109 1414,1214 ; C17.1@1413.71,1263.4 1408.71,1263.4 1414,1258.11 1414,1215 GLJC.5@1637.46,1215 GLJC.5@1669,1215 ; C17.1@1414,1264 1408.11,1264 1412,1267.89 1412,1365 1288,1489 R46.2@1276,1489 ; 2530,3935 2535,3930 ; W1.3@2630,3685 W1.3@2642.28,3697.28 ; P1.6@2722.8,4615 P1.5@2947.2,4615 ; W1.3@2775,3670 W1.3@2776.14,3671.14 ; P1.5@2955,4615 P1.5@2960,4620 ; v2(2960.98,4615) 2980,4615 3035,4560 3160,4560 3195,4595 P3.3@3195,4620 ; D1.A@3390,3905 D1.A@3390,3935 ; Q1.E@3585,1450 3600,1435 3870,1435 3895,1410 R35.2@3895,1380 JXH1.2@3895,1295 ; R44.2@3635,2004.99 JXH4.2@3530,2004.99 3530,1955 Q2.E@3585,1900 3605,1880 3885,1880 3900,1865 R38.2@3900,1845 ; R44.2@3640,2000 3680,2040 3680,2309.99 Q4.E@3685,2314.99 ; v1(3840,2785) v1(3840,2915) ; JXH2.2@3900,1735 R38.2@3900,1830 R38.2@3900,1845 ; v2(4050,1930) 3985,1930 R38.2@3900,1845 ; C5.1@4197.14,3022.86 4320,2900 4360,2900 ; C19.2@4290,3867.52 4470,3687.52 C3.1@4470,3675 ; C15.1@1072,1514 1072,1494 1105,1461 1248,1461 R46.2@1276,1489
  Top Layer w25: JXH1.2@3902.48,1300 v2(4045,1300) ; RTBJ.3@4082.88,2575 RTBJ.2@4455,2575 ; SXCF.3@4082.88,2898 SXCF.2@4455,2898 ; v3(4470,1300) 4570,1300 4610,1340 v3(4610,1465) ; v3(4475,1930) 4555,1930 4610,1985 ; v3(4480,2900) 4560,2900 4585,2875 4585,2600 v3(4610,2575) ; v3(4610,1780) 4610,1985 ; v3(4610,2085) 4610,1985
  Top Layer w30: C8.2@2586.89,4195 2671.89,4280 2950,4280 2955,4285 P1.5@2955,4615 ; W1.3@2776.14,3520 2775,3518.86 2775,3350 2795,3330 2795,3260 2835,3220 2910,3220 3145,2985 v1@3190,2985
  Top Layer w35: 2525,3930 2525,4133.11 C8.2@2586.89,4195
  Top Layer w40: W1.3@2642.28,3697.28 W1.5@2642.28,3930 ; W1.3@2776.14,3671.14 W1.3@2776.14,3930 ; v2@3350,3550 3350,3865 D1.A@3390,3905
  Top Layer w120: JDQ2.5@2340.32,3047.05 JDQ3.5@2340.32,3365 2525,3549.68 2525,3930 2445,4010 JDQ4.5@2345,4010
  Top Layer w150: J1.2@1285,2963 1443,2805 1717,2805 1735,2805 1831,2709 1831,1855 1986,1700 2255,1700 2355,1800 2355,1925 2260,2020 2260,2944.21 JDQ2.5@2351.57,3035.79
  Bottom Layer w10: v1@3840,2780 v1(3840,2785) ; v1(3875,3005) 3920,3005 ; v1(3885,3285) 3920,3285 3960,3245 3960,3040 3925,3005 ; v1(4095,3325) 4120,3325 4144.12,3300.88 C6.1@4144.12,3167.47
  Bottom Layer w20: v1(1222,4047) v1(1222,4182) ; C14.1@2865,3365 C13.1@2865,3470 C12.1@2865,3575 C11.1@2865,3680 ; P3.3@3195,4620 P2.3@3195,4815 ; Q3.E@3300,2315 3300,2065 R41.2@3360,2005 3362.13,2002.87 JXH3.2@3459.99,2002.87 ; C9.1@3349.86,3450.71 C9.1@3354.74,3450.71 ; v1(3390,2975) R8.1@3470,2975 3540,2905 3715,2905 v1@3840,2780 ; v1@3840,2910 v1(3840,2915) 3840,2975 v1@3870,3005 ; v1(3875,3005) 3980,2900 v1(4050,2900) 4085,2900 XXCF.2@4090,2895 ; v1(4155,4550) 4145,4540 4145,3980 4225,3900 C18.1@4290,3900
  Bottom Layer w25: v2(4045,1300) SS.2@4072.88,1300 SS.3@4445,1300 v3(4470,1300) ; XX.2@4077.88,1615 XX.3@4450,1615 ; ZHA.2@4077.88,1930 ZHA.3@4450,1930 ; XXING.2@4082.88,2220 XXING.3@4455,2220 ; v3(4475,1615) 4545,1615 4610,1680 ; v3(4475,2245) 4560,2245 4610,2295 ; v3(4480,2575) v3(4610,2575) 4610,2295 ; v3(4610,1465) 4610,1615 ; 4610,1620 4610,1680 ; v3(4610,1780) 4610,1680 ; v3(4610,2085) 4610,2295
  Bottom Layer w30: v4(3250,3315) 3250,3155 3170,3075 3170,3015 3202.5,2982.5 3210,2975 v1(3390,2975) ; W2.1@3250,3365 W2.1@3250,3405
  Bottom Layer w40: W2.1@3250,3405 3295.71,3450.71 3349.86,3450.71 C10.1@3349.86,3565
  Bottom Layer w120: JDQ2.5@2340.32,3047.05 JDQ3.5@2340.32,3365 2525,3549.68 2525,3930 2445,4010 JDQ4.5@2340.32,4010
  Bottom Layer w150: J1.2@1287,2963 1445,2805 1736,2805 1831,2710 1831,1856 1985,1702 2257,1702 2355,1800 2355,1925 2260,2020 2260,2944.21 JDQ2.5@2351.57,3035.79
  other v1: 3195,2975 3175,2995 4115,3155 4115,3180
  other v2: 4602,1214 4639,1249 4674,1284 4050,1615 4050,2245 3487,2534 3456,2569 3426,2604 3350,3545 3997,3558 4051,3576 3998,3610 4050,3628 3997,3662 4050,3681 3997,3715 4702,3819 4650,3820 4754,3820 4807,3820 4701,3871 4649,3872 4753,3872 4806,3872 4290,3915 2945,4295 2710.39,4616.26
  other v4: 4055,2575 1752,2835 2840,3395 2840,3660
  other v9: 3495,1985 3495,2025